# Altium PCB Salico Controller Module.PcbDoc (part 1 of 2)
Units mm, origin at the board's own origin, x right, y up, seen from the top; angles counter-clockwise.
Board outline 100 x 50 mm, 4 copper layers (L1, L2, L3, L4), stack 1.11 mm thick; 125 components, 95 nets, 398 pads, 661 vias.
Unrouted connection lines stored in the file: 176.
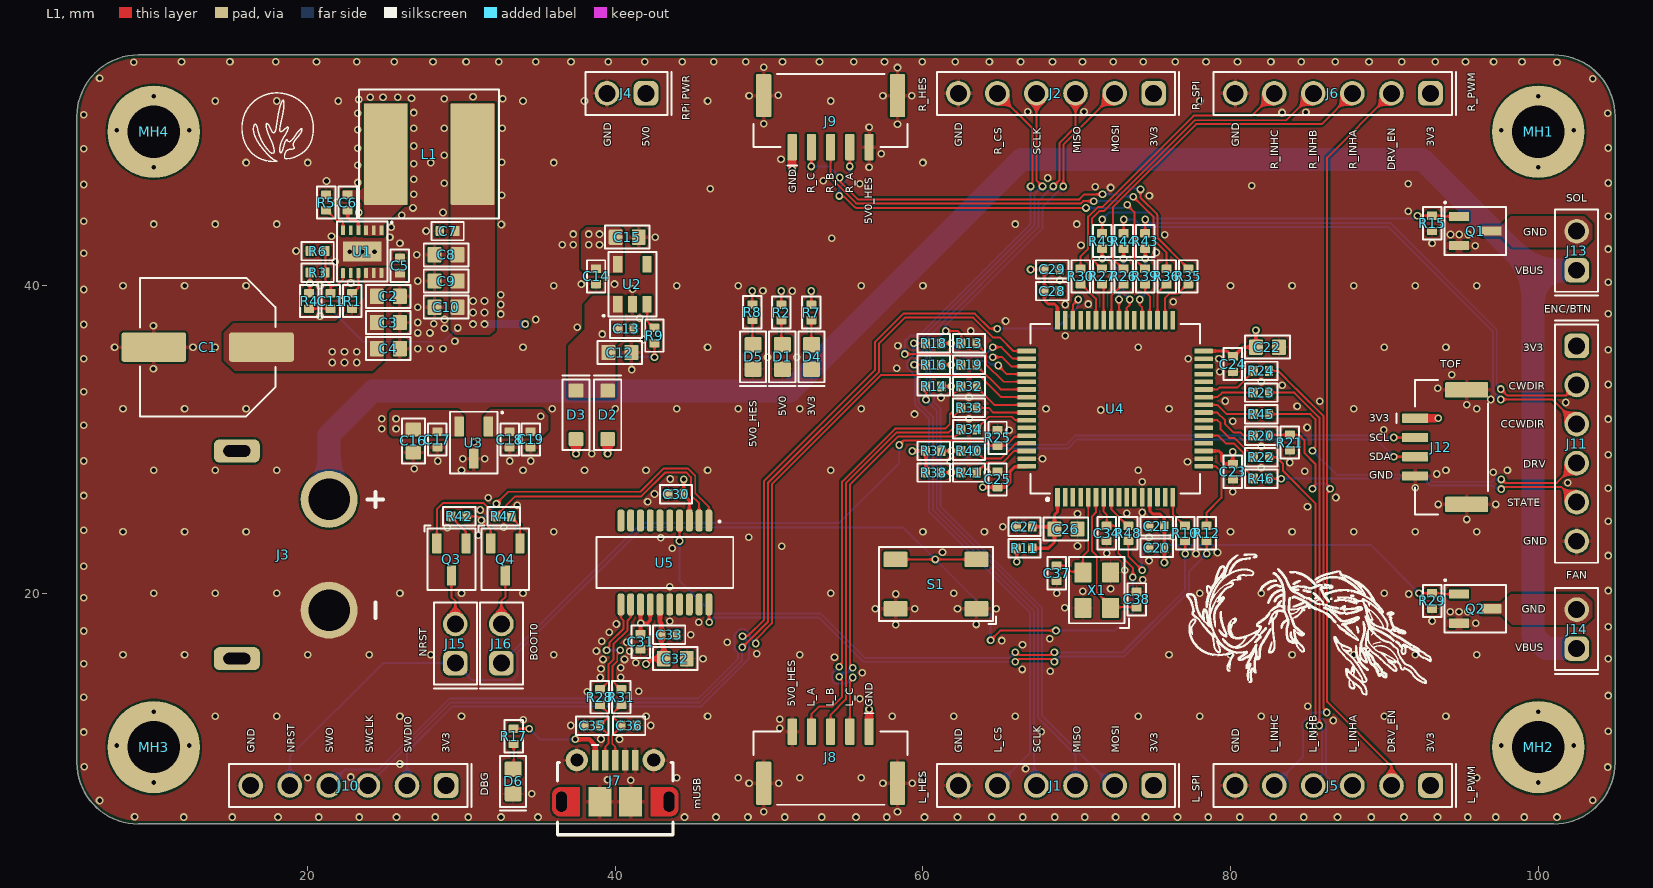
[diagram p0: L1 view]
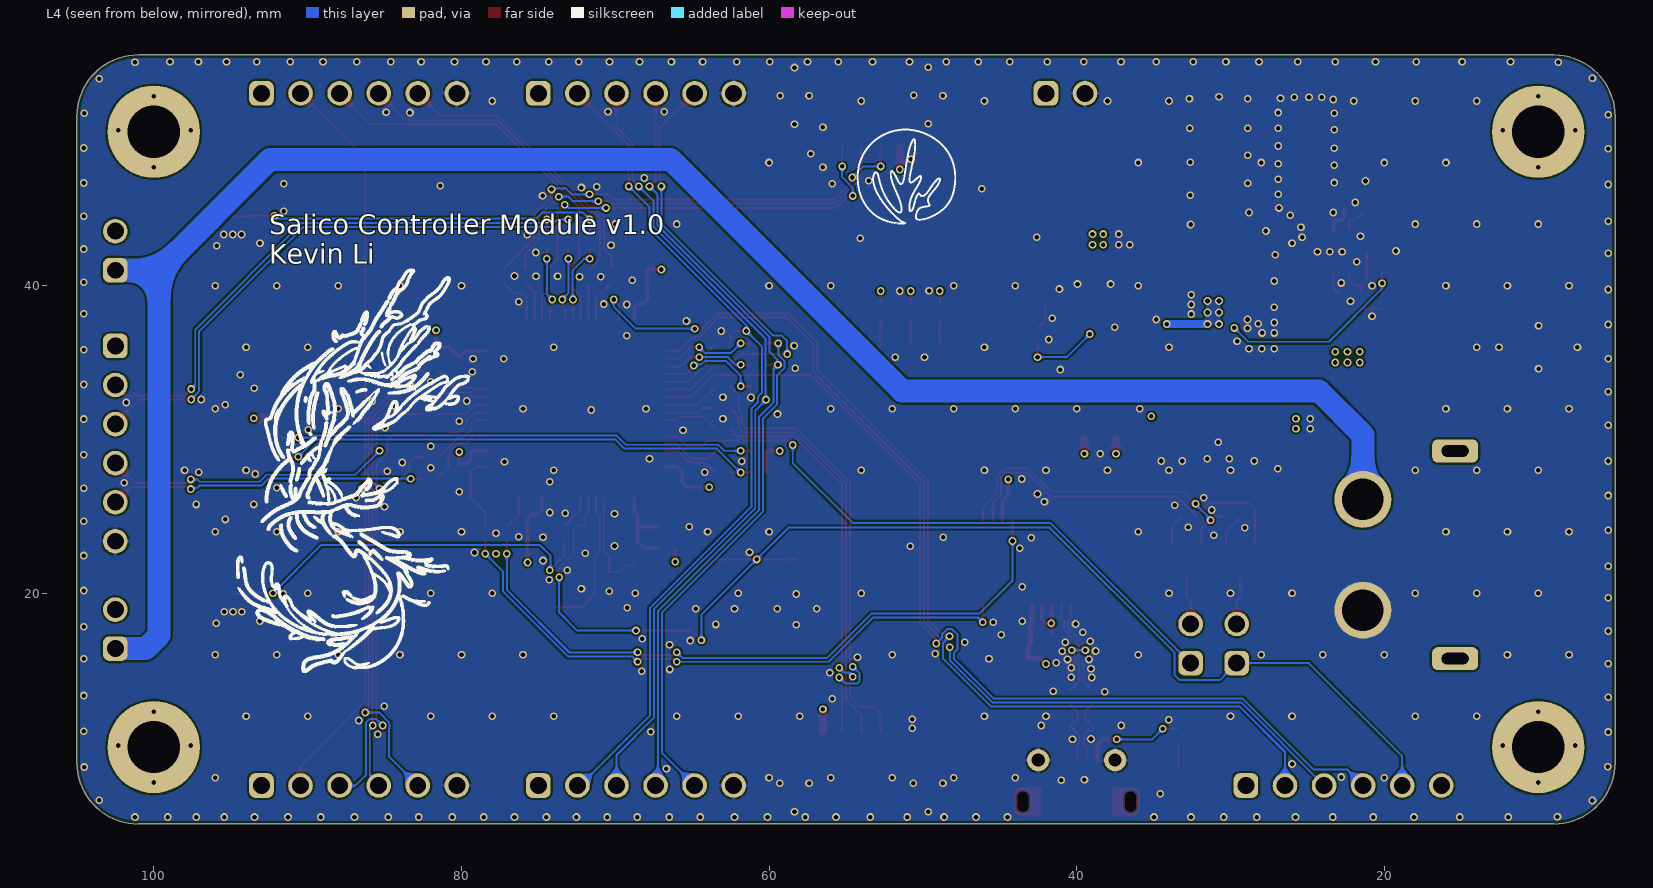
[diagram p1: L4 view, seen from below]
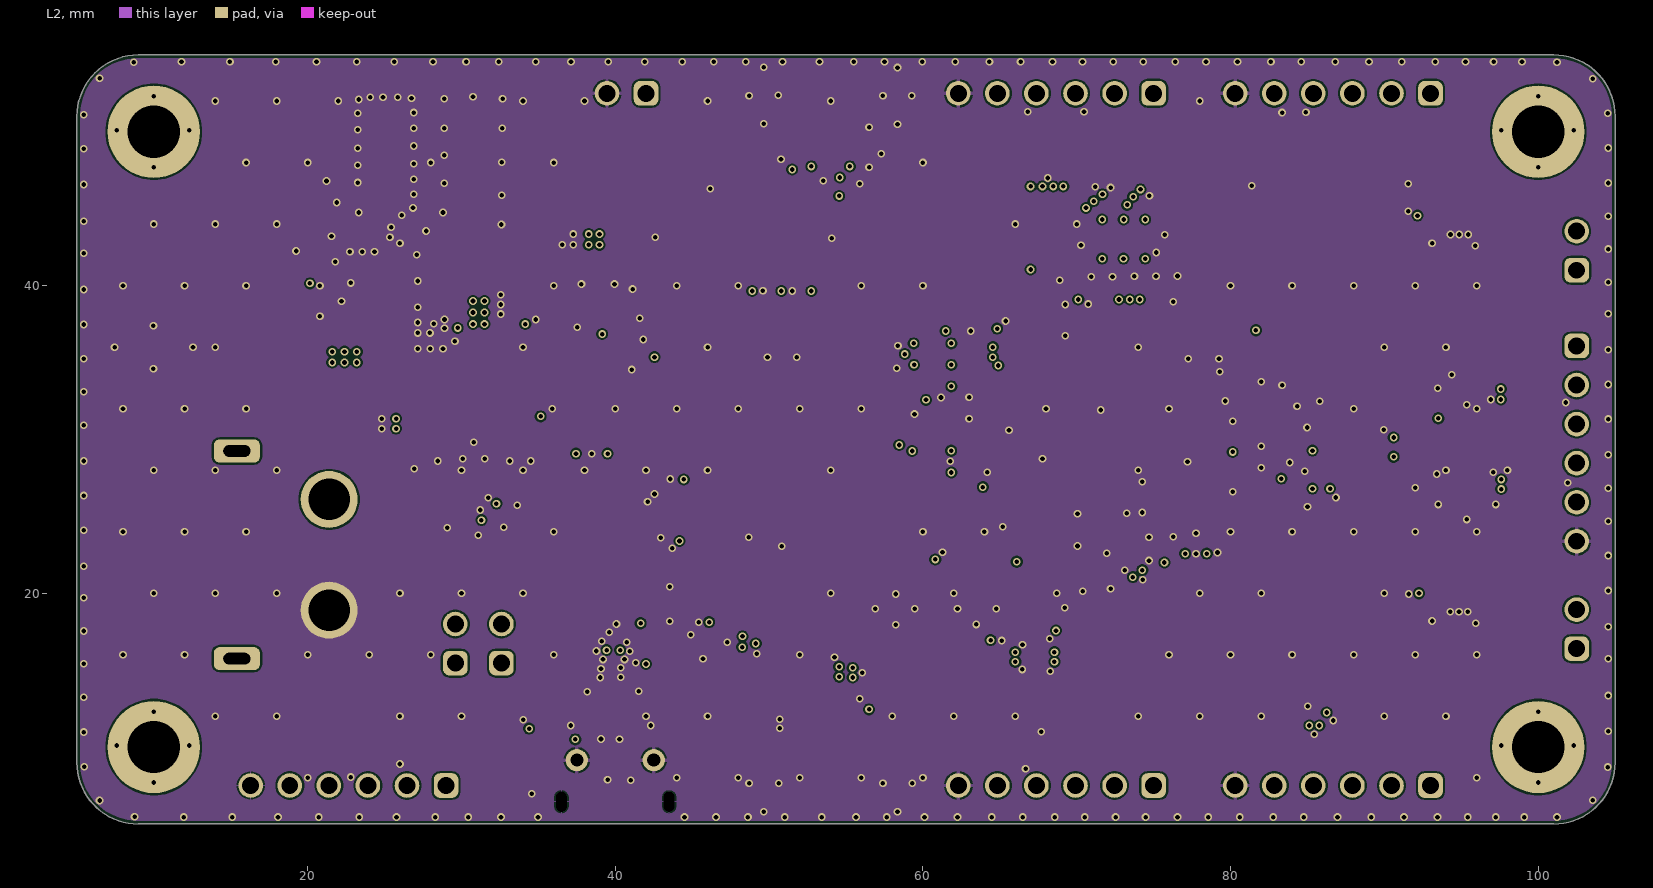
[diagram p2: L2]
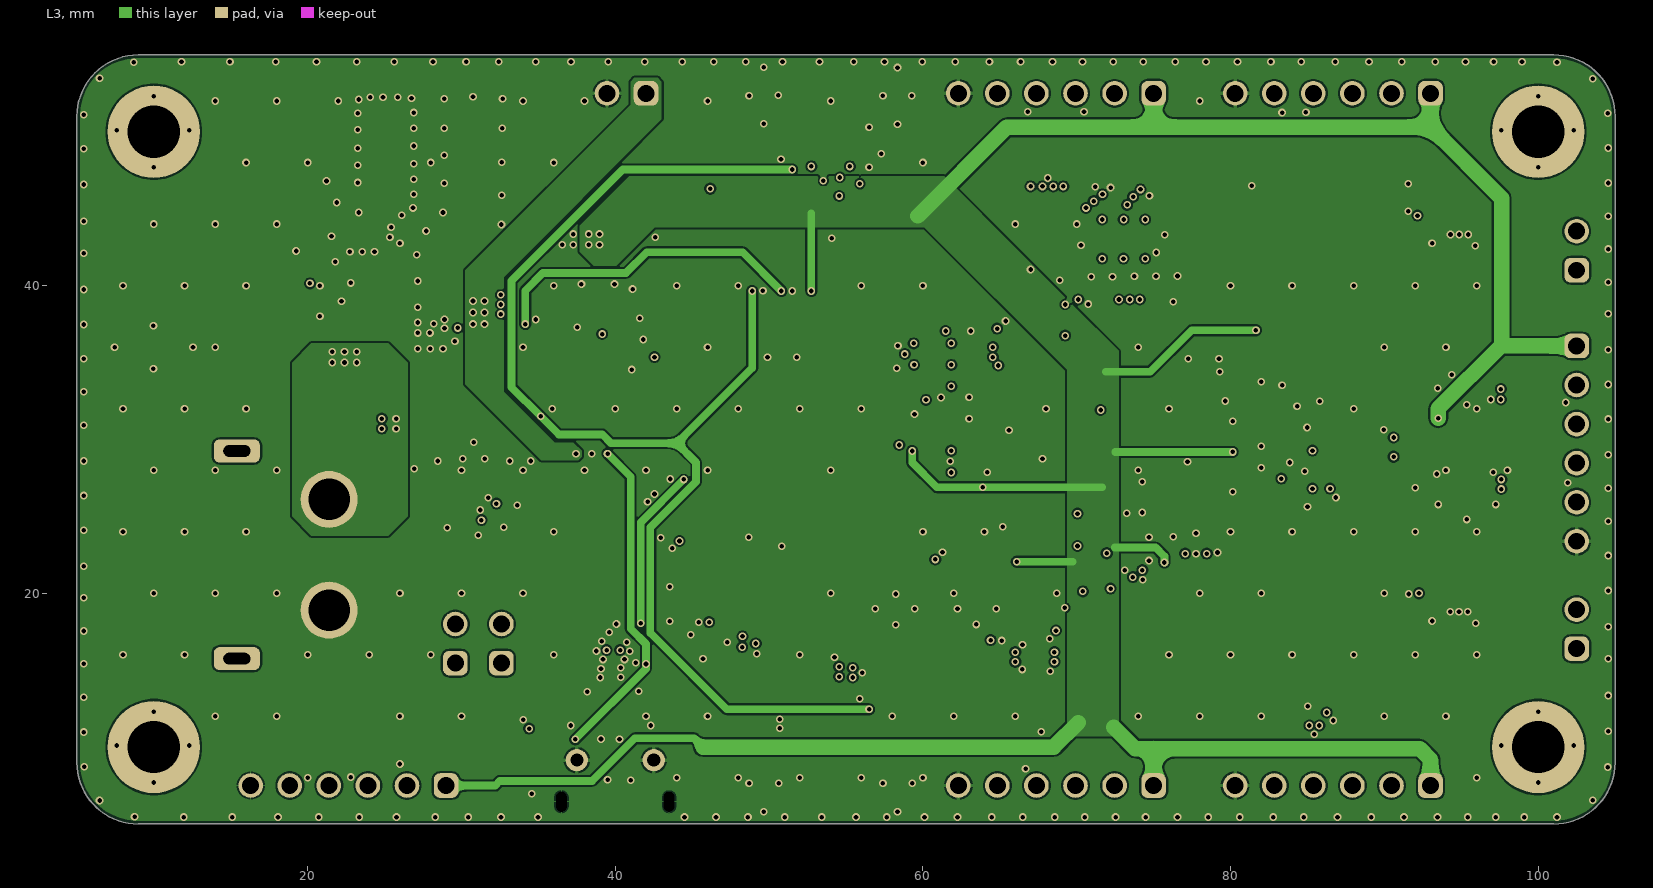
[diagram p3: L3]
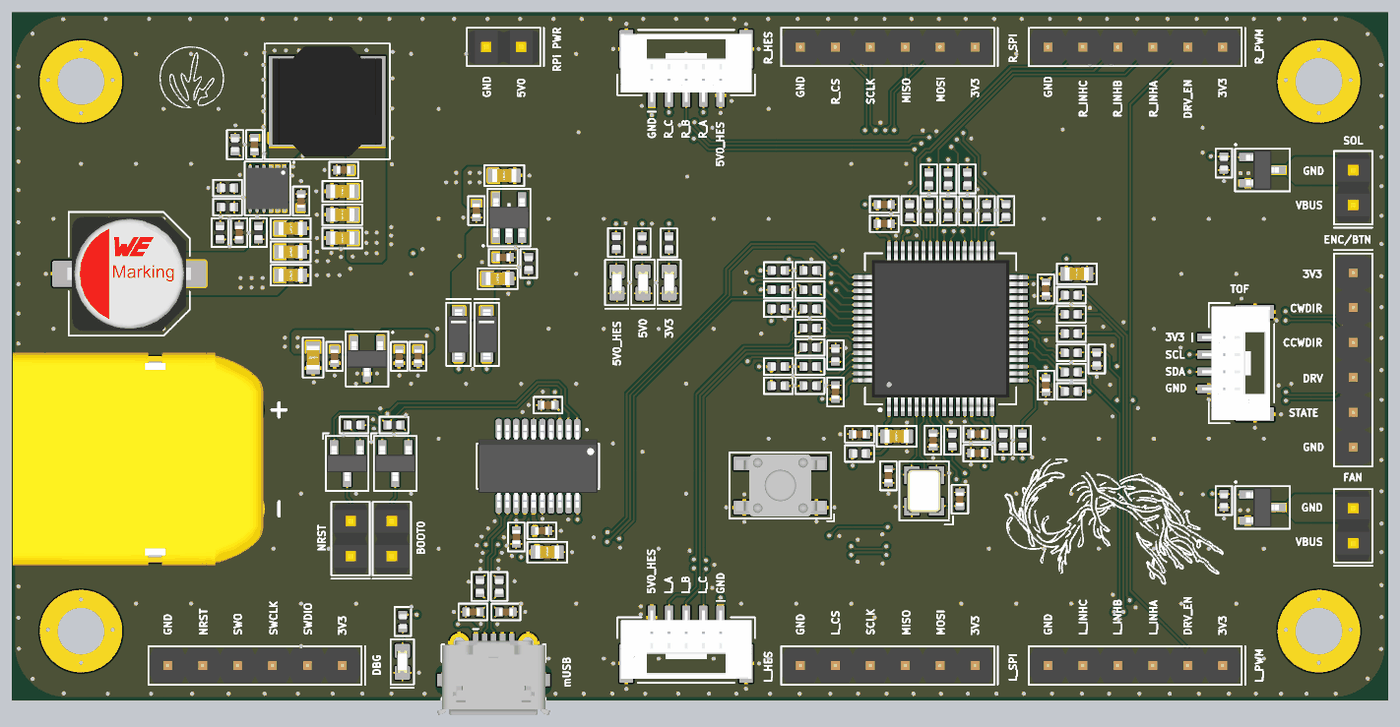
[diagram p5: 3D render of the assembled board from above, using the file's embedded part models]

## Layer stack, top to bottom
Top Solder: solder mask 0.0254, SM-001, Dk 4
L1: signal copper 0.035
Dielectric 1: prepreg 0.1295, PP-017, Dk 4.3
L2: signal copper 0.035
Dielectric 3: core 0.7112, Core-039, Dk 4.8
L3: signal copper 0.035
Dielectric 5: prepreg 0.1295, PP-017, Dk 4.3
L4: signal copper 0.035
Bottom Solder: solder mask 0.0254, SM-001, Dk 4

## Board outline
5,9 5,51 cw(c9,51) 9,55 101,55 cw(c101,51) 105,51 105,9 cw(c101,9) 101,5 9,5 cw(c9,9)

## Design rules (kind name [scope] priority, off if disabled: settings)
BoardOutlineClearance [All] p1: gap=0.2 ignorepadtopadclearanceinfootprint=FALSE
Clearance Clearance_NT [InComponent('NT*')] p1: gap=0 ignorepadtopadclearanceinfootprint=FALSE
Clearance [All] p2: gap=0.127 ignorepadtopadclearanceinfootprint=FALSE
ComponentClearance [All] p1: gap=0.102 collisioncheckmode=3 verticalgap=0.102 showdistances=TRUE
DiffPairsRouting [All] p1: maxlimit=0.102 minlimit=0.102 mostfreqgap=0.102 toplayer_minwidth=0.102 toplayer_maxwidth=1816.048 toplayer_prefwidth=0.102 midlayer1_minwidth=0.102 midlayer1_maxwidth=1816.048 midlayer1_prefwidth=0.102 midlayer2_minwidth=0.102 midlayer2_maxwidth=1816.048 midlayer2_prefwidth=0.102 bottomlayer_minwidth=0.102 bottomlayer_maxwidth=1816.048 bottomlayer_prefwidth=0.102 maxuncoupledlength=12.7
Height [All] p1: minheight=0 maxheight=1816.048 prefheight=12.7
HoleSize [All] p1: absolutevalues=TRUE maxlimit=6.3 minlimit=0.2 maxpercent=80.000 minpercent=20.000
HoleToHoleClearance [All] p1: gap=0.25 allowstackedmicrovias=FALSE
MinimumAnnularRing [All] p1: minimumring=0.076
MinimumSolderMaskSliver [All] p1: minsoldermaskwidth=0
PlaneClearance [All] p1: clearance=0.102
PlaneConnect PlaneConnectPowerPads [InPadClass('PowerPads')] p1: planeconnectstyle=Direct reliefexpansion=0.508 reliefentries=4 reliefconductorwidth=0.254 reliefairgap=0.254
PlaneConnect [All] p2: pad.planeconnectstyle=Relief pad.reliefexpansion=0.3 pad.reliefentries=4 pad.reliefconductorwidth=0.102 pad.reliefairgap=0.102 via.planeconnectstyle=Direct via.reliefexpansion=0.3 via.reliefentries=4 via.reliefconductorwidth=0.127 via.reliefairgap=0.127
PolygonConnect PolygonConnectPowerPads [All vs (InPadClass('PowerPads'))] p1: connectstyle=Direct reliefconductorwidth=0.254 reliefentries=4 polygonreliefangle="90 Angle" airgapwidth=0.254
PolygonConnect [All] p2: thpad.connectstyle=Relief thpad.reliefconductorwidth=0.102 thpad.reliefentries=4 thpad.polygonreliefangle="90 Angle" thpad.airgapwidth=0.102 smdpad.connectstyle=Relief smdpad.reliefconductorwidth=0.102 smdpad.reliefentries=4 smdpad.polygonreliefangle="90 Angle" smdpad.airgapwidth=0.102 via.connectstyle=Direct via.reliefconductorwidth=0.127 via.reliefentries=4 via.polygonreliefangle="90 Angle" via.airgapwidth=0.127
RoutingVias [All] p1: holewidth=0.25 width=0.5 viastyle="Through Hole" minholewidth=0.2 minwidth=0.45 maxholewidth=6.3 maxwidth=6.55
ShortCircuit ShortCircuit_NT [InComponent('NT*')] p1: allowed=TRUE
ShortCircuit [All] p2: allowed=FALSE
SilkToSilkClearance [All] p1: silktosilkclearance=0
SilkToSolderMaskClearance [IsPad] p1: minsilkscreentomaskgap=0.102 clearancetoexposedcopper=TRUE
SolderMaskExpansion [All] p1: expansion=0.102 istentingtop=FALSE
SupplyNets "Schematic Supply Nets_7" [InNet('3V3_VBAT')] p1: voltage=0.000
SupplyNets "Schematic Supply Nets_6" [InNet('5V0_USB')] p2: voltage=0.000
SupplyNets "Schematic Supply Nets_1" [InNet('3V3_USB')] p3: voltage=0.000
SupplyNets "Schematic Supply Nets_5" [InNet('5V0')] p4: voltage=0.000
SupplyNets "Schematic Supply Nets_4" [InNet('5V0_HES')] p5: voltage=0.000
SupplyNets "Schematic Supply Nets_3" [InNet('VBUS')] p6: voltage=0.000
SupplyNets "Schematic Supply Nets_2" [InNet('3V3')] p7: voltage=0.000
SupplyNets "Schematic Supply Nets" [InNet('GND')] p8: voltage=0.000
Width [All] p1: maxlimit=1816.048 minlimit=0.102 preferedwidth=0.127
19 further rules are at their usual default settings.

## Components (designator, comment, footprint, x,y, rotation, side; value= is the part's Value field where it differs from the comment)
C1 "865080553014" 865080553014-Footprint-1 13.5,36 r0 top value=220µF
C2 "GRM188R6YA106MA73D" .CAP_0603-Footprint-1 25.25,39.3 r180 top value=10µF
C3 "GRM188R6YA106MA73D" .CAP_0603-Footprint-1 25.25,37.6 r180 top value=10µF
C4 "GRM188R6YA106MA73D" .CAP_0603-Footprint-1 25.25,35.9 r180 top value=10µF
C5 "GCM155R71H104KE02D" .CAP_0402-Footprint-1 26,41.3 r270 top value=100nF
C6 "GCM155R71H104KE02D" .CAP_0402-Footprint-1 22.6,45.4 r270 top value=100nF
C7 "GCM155R71H104KE02D" .CAP_0402-Footprint-1 29.1,43.55 r0 top value=100nF
C8 "GRM188R6YA106MA73D" .CAP_0603-Footprint-1 29,42 r0 top value=10µF
C9 "GRM188R6YA106MA73D" .CAP_0603-Footprint-1 29,40.3 r0 top value=10µF
C10 "GRM188R6YA106MA73D" .CAP_0603-Footprint-1 29,38.6 r0 top value=10µF
C11 "GRM1555C1H330JA01D" .CAP_0402-Footprint-1 21.5,39 r270 top value=33pF
C12 "GRM188R6YA106MA73D" .CAP_0603-Footprint-1 40.3,35.65 r180 top value=10µF
C13 "GRM155R6YA105KE11D" .CAP_0402-Footprint-1 40.7,37.2 r180 top value=1µF
C14 "GRM155R6YA105KE11D" .CAP_0402-Footprint-1 38.75,40.6 r90 top value=1µF
C15 "GRM188R6YA106MA73D" .CAP_0603-Footprint-1 40.775,43.15 r180 top value=10µF
C16 "GRM188R6YA106MA73D" .CAP_0603-Footprint-1 26.875,29.9 r90 top value=10µF
C17 "GCM155R71H104KE02D" .CAP_0402-Footprint-1 28.433,29.993 r90 top value=100nF
C18 "GCM155R71H104KE02D" .CAP_0402-Footprint-1 33.133,29.993 r90 top value=100nF
C19 "GRM155R6YA105KE11D" .CAP_0402-Footprint-1 34.5,30 r90 top value=1µF
C20 "GRM155R6YA105KE11D" .CAP_0402-Footprint-1 75.2,22.95 r0 top value=1µF
C21 "GCM155R71H103KA55D" .CAP_0402-Footprint-1 75.2,24.35 r0 top value=10nF
C22 "GRM188R6YA106MA73D" .CAP_0603-Footprint-1 82.4,36 r180 top value=10µF
C23 "GCM155R71H104KE02D" .CAP_0402-Footprint-1 80.15,27.9 r90 top value=100nF
C24 "GCM155R71H104KE02D" .CAP_0402-Footprint-1 80.15,34.9 r90 top value=100nF
C25 "GCM155R71H104KE02D" .CAP_0402-Footprint-1 64.85,27.4 r270 top value=100nF
C26 "GRM188R6YA106MA73D" .CAP_0603-Footprint-1 69.3,24.175 r180 top value=10µF
C27 "GRM155R6YA105KE11D" .CAP_0402-Footprint-1 66.6,24.325 r0 top value=1µF
C28 "GCM155R71H104KE02D" .CAP_0402-Footprint-1 68.4,39.65 r180 top value=100nF
C29 "GRM155R6YA105KE11D" .CAP_0402-Footprint-1 68.4,41.05 r180 top value=1µF
C30 "GCM155R71H104KE02D" .CAP_0402-Footprint-1 43.95,26.45 r0 top value=100nF
C31 "GCM155R71H104KE02D" .CAP_0402-Footprint-1 41.65,16.85 r90 top value=100nF
C32 "GRM188R6YA106MA73D" .CAP_0603-Footprint-1 43.9,15.75 r180 top value=10µF
C33 "GCM155R71H104KE02D" .CAP_0402-Footprint-1 43.5,17.3 r180 top value=100nF
C34 "GCM155R71H104KE02D" .CAP_0402-Footprint-1 71.95,23.9 r90 top value=100nF
C35 "GRM1555C1H470JA01D" .CAP_0402-Footprint-1 38.5,11.4 r0 top value=47pF
C36 "GRM1555C1H470JA01D" .CAP_0402-Footprint-1 40.9,11.4 r180 top value=47pF
C37 "GJM1555C1H140GB01D" .CAP_0402-Footprint-1 68.7,21.3 r90 top value=14pF
C38 "GJM1555C1H140GB01D" .CAP_0402-Footprint-1 73.9,19.6 r270 top value=14pF
D1 "LTST-C191KGKT" LTST-C191KGKT-Footprint-1 50.864,35.368 r270 top
D2 "B0540W-7-F" B0540W-7-F-Footprint-1 39.5,31.6 r90 top
D3 "B0540W-7-F" B0540W-7-F-Footprint-1 37.45,31.6 r90 top
D4 "LTST-C191KGKT" LTST-C191KGKT-Footprint-1 52.764,35.368 r270 top
D5 "LTST-C191KGKT" LTST-C191KGKT-Footprint-1 48.964,35.368 r270 top
D6 "LTST-C191KGKT" LTST-C191KGKT-Footprint-1 33.364,7.768 r270 top
J1 "PH1-06-UA" PH1-06-UA-Footprint-1 75,7.5 r180 top
J2 "PH1-06-UA" PH1-06-UA-Footprint-1 75,52.5 r180 top
J3 "XT60PW-M" XT60PW-M-Footprint-1 15.4,22.5 r90 top
J4 "PH1-02-UA" PH1-02-UA-Footprint-1 42,52.5 r180 top
J5 "PH1-06-UA" PH1-06-UA-Footprint-1 93,7.5 r180 top
J6 "PH1-06-UA" PH1-06-UA-Footprint-1 93,52.5 r180 top
J7 "1050170001" 1050170001-Footprint-1 40,6.65 r0 top
J8 "BM05B-GHS-TBT" BM05B-GHS-TBT-Footprint-1 54,11 r0 top
J9 "BM05B-GHS-TBT" BM05B-GHS-TBT-Footprint-1 54,49 r180 top
J10 "PH1-06-UA" PH1-06-UA-Footprint-1 29,7.5 r180 top
J11 "PH1-06-UA" PH1-06-UA-Footprint-1 102.5,36.08 r270 top
J12 "BM04B-GHS-TBT" BM04B-GHS-TBT-Footprint-1 92,29.5 r90 top
J13 "PH1-02-UA" PH1-02-UA-Footprint-1 102.5,41 r90 top
J14 "PH1-02-UA" PH1-02-UA-Footprint-1 102.5,16.4 r90 top
J15 "PH1-02-UA" PH1-02-UA-Footprint-1 29.6,15.46 r90 top
J16 "PH1-02-UA" PH1-02-UA-Footprint-1 32.6,15.46 r90 top
L1 "SRN8040TA-4R7M" SRN8040TA-4R7M-Footprint-1 27.9,48.55 r90 top value=4.7µH
MH1 "M3HOLE-STANDARD" M3HOLE-STANDARD-Footprint-1 100,50 r0 top
MH2 "M3HOLE-STANDARD" M3HOLE-STANDARD-Footprint-1 100,10 r0 top
MH3 "M3HOLE-STANDARD" M3HOLE-STANDARD-Footprint-1 10,10 r0 top
MH4 "M3HOLE-STANDARD" M3HOLE-STANDARD-Footprint-1 10,50 r0 top
Q1 "DMG3406L-13" DMG3406L-13-Footprint-1 95.9,43.55 r0 top
Q2 "DMG3406L-13" DMG3406L-13-Footprint-1 95.9,19 r0 top
Q3 "MMBT2222A-7-F" MMBT2222A-7-F-Footprint-1 29.35,22.2 r90 top
Q4 "MMBT2222A-7-F" MMBT2222A-7-F-Footprint-1 32.85,22.2 r90 top
R1 "RC0402JR-070RL" .RES_0402-Footprint-1 22.9,39 r270 top value=0
R2 "RC0402FR-071KL" .RES_0402-Footprint-1 50.8,38.25 r90 top value=1k
R3 "RC0402FR-0753K6L" .RES_0402-Footprint-1 20.65,40.85 r180 top value=53.6k
R4 "RC0402FR-071KL" .RES_0402-Footprint-1 20.1,39 r90 top value=1k
R5 "RC0402FR-0731K6L" .RES_0402-Footprint-1 21.2,45.4 r270 top value=31.6k
R6 "RC0402FR-0710KL" .RES_0402-Footprint-1 20.65,42.25 r0 top value=10k
R7 "RC0402FR-071KL" .RES_0402-Footprint-1 52.75,38.25 r90 top value=1k
R8 "RC0402FR-071KL" .RES_0402-Footprint-1 48.914,38.268 r90 top value=1k
R9 "RC0402JR-070RL" .RES_0402-Footprint-1 42.55,36.75 r270 top value=0
R10 "RC0402JR-070RL" .RES_0402-Footprint-1 77.05,23.9 r270 top value=0
R11 "RC0402JR-070RL" .RES_0402-Footprint-1 66.6,22.925 r0 top value=0
R12 "RC0402JR-070RL" .RES_0402-Footprint-1 78.45,23.9 r270 top value=0
R13 "RC0402JR-070RL" .RES_0402-Footprint-1 63,36.25 r180 top value=0
R14 "RC0402JR-070RL" .RES_0402-Footprint-1 60.7,33.45 r180 top value=0
R15 "RC0402FR-0710KL" .RES_0402-Footprint-1 93.1,44.05 r90 top value=10k
R16 "RC0402JR-070RL" .RES_0402-Footprint-1 60.7,34.85 r180 top value=0
R17 "RC0402FR-071KL" .RES_0402-Footprint-1 33.4,10.7 r90 top value=1k
R18 "RC0402JR-070RL" .RES_0402-Footprint-1 60.7,36.25 r180 top value=0
R19 "RC0402JR-070RL" .RES_0402-Footprint-1 63,34.85 r180 top value=0
R20 "RC0402JR-070RL" .RES_0402-Footprint-1 82,30.25 r0 top value=0
R21 "RC0402FR-0710KL" .RES_0402-Footprint-1 83.85,29.8 r90 top value=10k
R22 "RC0402JR-070RL" .RES_0402-Footprint-1 82,28.85 r0 top value=0
R23 "RC0402JR-070RL" .RES_0402-Footprint-1 82,33.05 r0 top value=0
R24 "RC0402JR-070RL" .RES_0402-Footprint-1 82,34.45 r0 top value=0
R25 "RC0402FR-0710KL" .RES_0402-Footprint-1 64.85,30.1 r270 top value=10k
R26 "RC0402JR-070RL" .RES_0402-Footprint-1 73.05,40.6 r90 top value=0
R27 "RC0402JR-070RL" .RES_0402-Footprint-1 71.65,40.6 r90 top value=0
R28 "RC0402FR-0727RL" .RES_0402-Footprint-1 39,13.25 r90 top value=27
R29 "RC0402FR-0710KL" .RES_0402-Footprint-1 93.1,19.5 r90 top value=10k
R30 "RC0402JR-070RL" .RES_0402-Footprint-1 70.25,40.6 r90 top value=0
R31 "RC0402FR-0727RL" .RES_0402-Footprint-1 40.4,13.25 r90 top value=27
R32 "RC0402JR-070RL" .RES_0402-Footprint-1 63,33.45 r180 top value=0
R33 "RC0402JR-070RL" .RES_0402-Footprint-1 63,32.05 r180 top value=0
R34 "RC0402JR-070RL" .RES_0402-Footprint-1 63,30.65 r180 top value=0
R35 "RC0402JR-070RL" .RES_0402-Footprint-1 77.25,40.6 r90 top value=0
R36 "RC0402JR-070RL" .RES_0402-Footprint-1 75.85,40.6 r90 top value=0
R37 "RC0402JR-072K2L" .RES_0402-Footprint-1 60.7,29.25 r180 top value=2.2k
R38 "RC0402JR-072K2L" .RES_0402-Footprint-1 60.7,27.85 r180 top value=2.2k
R39 "RC0402JR-070RL" .RES_0402-Footprint-1 74.45,40.6 r90 top value=0
R40 "RC0402JR-070RL" .RES_0402-Footprint-1 63,29.25 r180 top value=0
R41 "RC0402JR-070RL" .RES_0402-Footprint-1 63,27.85 r180 top value=0
R42 "RC0402FR-0710KL" .RES_0402-Footprint-1 29.85,25 r0 top value=10k
R43 "RC0402JR-070RL" .RES_0402-Footprint-1 74.45,42.9 r90 top value=0
R44 "RC0402JR-070RL" .RES_0402-Footprint-1 73.05,42.9 r90 top value=0
R45 "RC0402JR-070RL" .RES_0402-Footprint-1 82,31.65 r0 top value=0
R46 "RC0402JR-070RL" .RES_0402-Footprint-1 82,27.45 r0 top value=0
R47 "RC0402FR-0710KL" .RES_0402-Footprint-1 32.75,25 r180 top value=10k
R48 "RC0402JR-070RL" .RES_0402-Footprint-1 73.35,23.9 r270 top value=0
R49 "RC0402JR-070RL" .RES_0402-Footprint-1 71.65,42.9 r90 top value=0
S1 "PTS647SN38SMTR2 LFS" "PTS647SN38SMTR2 LFS-Footprint-1" 60.85,20.6 r180 top
U1 "LMR51450SDRRR" SON50P300X80_HS-13N 23.55,42.21 r270 top
U2 "TLV75533PDBVR" TLV75533PDBVR-Footprint-1 41.117,40.09 r90 top
U3 "TLV76050DBZR" TLV76050DBZR-Footprint-1 30.8,29.8 r270 top
U4 "STM32L476RGT3" STM32L476RGT3-Footprint-1 72.5,32 r0 top
U5 "FT231XS-R" SOP64P600X175-20N 43.225,22 r270 top
X1 "ECS-80-12-33-JGN-TR" ECS-80-12-33-JGN-TR-Footprint-1 72.2,19.05 r90 top

## Footprints (in the part's own frame and the unit in brackets; to place one, negate y for a bottom-side part, rotate by r counter-clockwise, add the part's x,y. Pads: shape width x height; smd on the part's side, far side on the other; paste and mask are expansions set on the pad)
1050170001-Footprint-1 [mm]
  rect 0.4x1.35 smd: 1(-1.3,2.5) 2(-0.65,2.5) 3(0,2.5) 4(0.65,2.5) 5(1.3,2.5)
  round 1.45 hole 0.85: 6(-2.5,2.5) 7(2.5,2.5)
  rrect50% 0x0 hole 0.7 slot 1.3 at 90 deg: 8(-3.5,-0.2) 11(3.5,-0.2)
  rect 1.5x1.9 smd: 9(-1,-0.2) 10(1,-0.2)
  L1 circle w0.5: c-3.6,0.25 r0.25
  L1 circle w0.5: c3.6,-0.65 r0.25
  L1 circle w0.5: c-3.6,-0.65 r0.25
  L1 circle w0.5: c3.6,0.25 r0.25
  L1 region: 3.6,0.25 3.6,-0.65 4.1,-0.65 4.1,0.25
  L1 region: -2.3,-1.15 -2.3,0.75 -3.6,0.75 -3.6,-1.15
  L1 region: -3.6,-0.65 -3.6,0.25 -4.1,0.25 -4.1,-0.65
  L1 region: 2.3,0.75 2.3,-1.15 3.6,-1.15 3.6,0.75
  silkscreen extent -3.75,-2.35 3.75,3.5, body extent -4.1,-2.75 4.1,2.65, height 2.67
865080553014-Footprint-1 [mm]
  rrect15% 4.2x1.9 smd: 1(3.5,0) 2(-3.5,0)
  silkscreen extent -4.4,-4.5 4.4,4.5, body extent -4.5,-4.15 4.5,4.15, height 10.51
.CAP_0402-Footprint-1 [mm]
  rrect15% 0.55x0.65 smd: 1(-0.5,0) 2(0.5,0)
  silkscreen extent -1.05,-0.6 1.05,0.6, body extent -0.5,-0.27 0.5,0.28, height 0.51
.CAP_0603-Footprint-1 [mm]
  rrect15% 0.9x1 smd: 1(-0.75,0) 2(0.75,0)
  silkscreen extent -1.45,-0.75 1.45,0.75, body extent -0.87,-0.48 0.87,0.48, height 0.87
.RES_0402-Footprint-1 [mm]
  rrect15% 0.55x0.65 smd: 1(-0.5,0) 2(0.5,0)
  silkscreen extent -1.05,-0.6 1.05,0.6, body extent -0.53,-0.28 0.53,0.28, height 0.41
B0540W-7-F-Footprint-1 [mm]
  rrect15% 0.9x0.95 smd: 1(-1.575,0) 2(1.575,0)
  silkscreen extent -2.3,-0.89 2.56,0.89, body extent -1.83,-0.77 1.83,0.77, height 1.44
BM04B-GHS-TBT-Footprint-1 [mm]
  rrect15% 0.6x1.7 smd: 1(1.875,0) 2(0.625,0) 3(-0.625,0) 4(-1.875,0)
  rrect15% 1x2.8 smd: 5(3.725,-3.35) 6(-3.725,-3.35)
  silkscreen extent -4.38,-4.75 4.38,1.2, body extent -4.13,-4.45 4.13,0.5, height 4.21
BM05B-GHS-TBT-Footprint-1 [mm]
  rrect15% 0.6x1.7 smd: 1(2.5,0) 2(1.25,0) 3(0,0) 4(-1.25,0) 5(-2.5,0)
  rrect15% 1x2.8 smd: 6(4.35,-3.35) 7(-4.35,-3.35)
  silkscreen extent -5,-4.75 5,1.2, body extent -4.75,-4.45 4.75,0.5, height 4.21
DMG3406L-13-Footprint-1 [mm]
  rrect10% 1.3x0.6 smd mask+0.07: 1(-1.05,0.95) 2(-1.05,-0.95) 3(1.05,0)
  silkscreen extent -2.01,-1.55 2,1.91, body extent -1.2,-1.45 1.2,1.45, height 1.2
ECS-80-12-33-JGN-TR-Footprint-1 [mm]
  rrect10% 1.3x1.1 smd: 1(0,0) 2(2.3,0) 3(2.3,1.8) 4(0,1.8)
  silkscreen extent -1.3,-1.2 3.3,2.7, body extent -0.45,-0.35 2.75,2.15, height 0.81
LTST-C191KGKT-Footprint-1 [mm]
  rrect20% 1x1.1 smd: 1(-0.8,0) 2(0.8,0)
  silkscreen extent -1.65,-0.86 1.9,0.84, body extent -0.81,-0.4 0.81,0.4, height 0.6
M3HOLE-STANDARD-Footprint-1 [mm]
  round 6 hole 3.4: 1(0,0)
MMBT2222A-7-F-Footprint-1 [mm]
  rrect10% 1.3x0.6 smd mask+0.07: 1(1.05,0.95) 2(1.05,-0.95) 3(-1.05,0)
  silkscreen extent -2,-1.55 2.2,1.75, body extent -1.27,-1.46 1.27,1.46, height 1
PH1-02-UA-Footprint-1 [mm]
  rrect50% 1.6x1.6 hole 1.1 mask+0.1: 1(0,0)
  round 1.6 hole 1.1 mask+0.1: 2(2.54,0)
  silkscreen extent -1.65,-1.4 3.94,1.4, body extent -1.27,-1.24 3.81,1.24, height 8.51
PH1-06-UA-Footprint-1 [mm]
  rrect50% 1.6x1.6 hole 1.1 mask+0.1: 1(0,0)
  round 1.6 hole 1.1 mask+0.1: 2(2.54,0) 3(5.08,0) 4(7.62,0) 5(10.16,0) 6(12.7,0)
  silkscreen extent -1.65,-1.4 14.1,1.4, body extent -1.27,-1.27 13.97,1.27, height 8.57
"PTS647SN38SMTR2 LFS-Footprint-1" [mm]
  rrect15% 1.55x1 smd mask+0.1: 1(-2.625,1.6) 2(2.625,1.6) 3(-2.625,-1.6) 4(2.625,-1.6)
  silkscreen extent -3.9,-2.4 3.7,2.6, body extent -3.25,-2.25 3.25,2.25, height 3.8
SON50P300X80_HS-13N [mm] "SON, 12-Leads, Body 3.00x3.00mm, Pitch 0.50mm, Thermal Pad 2.50x1.30mm, IPC Medium Density"
  rrect15% 0.62x0.25 smd mask+0.07: 1(-1.39,1.25) 2(-1.39,0.75) 3(-1.39,0.25) 4(-1.39,-0.25) 5(-1.39,-0.75) 6(-1.39,-1.25) 7(1.39,-1.25) 8(1.39,-0.75) 9(1.39,-0.25) 10(1.39,0.25) 11(1.39,0.75) 12(1.39,1.25)
  rrect5% 1.3x2.5 smd mask+0.07: 13(0,0)
  silkscreen extent -1.95,-1.65 1.95,1.97, body extent -1.5,-1.5 1.5,1.5, height 0.81
SOP64P600X175-20N [mm] "SOP, 20-Leads, Body 8.65x3.90mm, Pitch 0.64mm, IPC Medium Density"
  rrect75% 1.45x0.45 smd mask+0.07: 1(-2.725,2.857) 2(-2.725,2.222) 3(-2.725,1.587) 4(-2.725,0.952) 5(-2.725,0.317) 6(-2.725,-0.318) 7(-2.725,-0.953) 8(-2.725,-1.588) 9(-2.725,-2.223) 10(-2.725,-2.858) 11(2.725,-2.857) 12(2.725,-2.222) 13(2.725,-1.587) 14(2.725,-0.952) 15(2.725,-0.317) 16(2.725,0.318) 17(2.725,0.953) 18(2.725,1.588) 19(2.725,2.223) 20(2.725,2.858)
  silkscreen extent -2.73,-4.44 1.65,4.44, body extent -3,-4.33 3,4.33, height 1.75
SRN8040TA-4R7M-Footprint-1 [mm]
  rrect5% 6.6x2.85 smd: 1(0,2.825) 2(0,-2.825)
  silkscreen extent -4.2,-4.55 4.2,4.55, body extent -4,-4 4,4, height 3.7
STM32L476RGT3-Footprint-1 [mm]
  rrect15% 0.3x1.2 smd mask+0.07: 1(-3.75,-5.75) 2(-3.25,-5.75) 3(-2.75,-5.75) 4(-2.25,-5.75) 5(-1.75,-5.75) 6(-1.25,-5.75) 7(-0.75,-5.75) 8(-0.25,-5.75) 9(0.25,-5.75) 10(0.75,-5.75) 11(1.25,-5.75) 12(1.75,-5.75) 13(2.25,-5.75) 14(2.75,-5.75) 15(3.25,-5.75) 16(3.75,-5.75) 33(3.75,5.75) 34(3.25,5.75) 35(2.75,5.75) 36(2.25,5.75) 37(1.75,5.75) 38(1.25,5.75) 39(0.75,5.75) 40(0.25,5.75) 41(-0.25,5.75) 42(-0.75,5.75) 43(-1.25,5.75) 44(-1.75,5.75) 45(-2.25,5.75) 46(-2.75,5.75) 47(-3.25,5.75) 48(-3.75,5.75)
  rrect15% 1.2x0.3 smd mask+0.07: 17(5.75,-3.75) 18(5.75,-3.25) 19(5.75,-2.75) 20(5.75,-2.25) 21(5.75,-1.75) 22(5.75,-1.25) 23(5.75,-0.75) 24(5.75,-0.25) 25(5.75,0.25) 26(5.75,0.75) 27(5.75,1.25) 28(5.75,1.75) 29(5.75,2.25) 30(5.75,2.75) 31(5.75,3.25) 32(5.75,3.75) 49(-5.75,3.75) 50(-5.75,3.25) 51(-5.75,2.75) 52(-5.75,2.25) 53(-5.75,1.75) 54(-5.75,1.25) 55(-5.75,0.75) 56(-5.75,0.25) 57(-5.75,-0.25) 58(-5.75,-0.75) 59(-5.75,-1.25) 60(-5.75,-1.75) 61(-5.75,-2.25) 62(-5.75,-2.75) 63(-5.75,-3.25) 64(-5.75,-3.75)
  silkscreen extent -5.5,-5.95 5.5,5.5, body extent -6,-6 6,6, height 1.6
TLV75533PDBVR-Footprint-1 [mm]
  rrect10% 1.1x0.6 smd mask+0.07: 1(-1.3,0.95) 2(-1.3,0) 3(-1.3,-0.95) 4(1.3,-0.95) 5(1.3,0.95)
  silkscreen extent -2.11,-1.55 2.1,1.93, body extent -1.4,-1.45 1.4,1.45, height 1.2
TLV76050DBZR-Footprint-1 [mm]
  rrect10% 1.3x0.6 smd mask+0.07: 1(-1.05,0.95) 2(-1.05,-0.95) 3(1.05,0)
  silkscreen extent -2.01,-1.55 2,1.91, body extent -1.27,-1.46 1.27,1.46, height 1
XT60PW-M-Footprint-1 [mm]
  round 3.7 hole 2.7: 1(3.6,-6) 2(-3.6,-6)
  rrect50% 1.5x3 hole 0.75 slot 1.75 at 90 deg: MH0(-6.75,0) MH1(6.75,0)
  silkscreen extent -4.1,-9.5 4.1,-8.5, body extent -7.75,-7.85 7.75,10.35, height 8.41

## Part data
C1: library part CMP-001-00089-1, "CAP ALUM 220UF 20% 35V SMD", Capacitor Type="Aluminum Electrolytic", Case/Package="Radial, Can - SMD", Tolerance=20%, Voltage Rating=35V, Mounting Technology="Surface Mount", Pins=2
C2 C3 C4 C8 C9 C10 C12 C15 C16 C22 C26 C32: library part CMP-001-00088-2, "CAP CER 10UF 35V X5R 0603", Capacitor Type=MLCC, Case/Package=0603, Temperature Coefficient=X5R, Tolerance=20%, Voltage Rating=35V, Mounting Technology="Surface Mount", Pins=2
C5 C6 C7 C17 C18 C23 C24 C25 C28 C30 C31 C33 C34: library part CMP-001-00084-4, "CAP CER 0.1UF 50V X7R 0402", Capacitor Type=MLCC, Case/Package=0402, Temperature Coefficient=X7R, Tolerance=10%, Voltage Rating=50V, Mounting Technology="Surface Mount", Pins=2
C11: library part CMP-001-00090-2, "CAP CER 33PF 50V C0G/NP0 0402", Capacitor Type=MLCC, Case/Package=0402, Temperature Coefficient="C0G, NP0", Tolerance=5%, Voltage Rating=50V, Mounting Technology="Surface Mount", Pins=2
C13 C14 C19 C20 C27 C29: library part CMP-001-00091-1, "CAP CER 1UF 35V X5R 0402", Capacitor Type=MLCC, Case/Package=0402, Temperature Coefficient=X5R, Tolerance=10%, Voltage Rating=35V, Mounting Technology="Surface Mount", Pins=2
C21: library part CMP-001-00092-1, "CAP CER 10000PF 50V X7R 0402", Capacitor Type=MLCC, Case/Package=0402, Temperature Coefficient=X7R, Tolerance=10%, Voltage Rating=50V, Mounting Technology="Surface Mount", Pins=2
C35 C36: library part CMP-001-00093-1, "CAP CER 47PF 50V C0G/NP0 0402", Capacitor Type=MLCC, Case/Package=0402, Temperature Coefficient="C0G, NP0", Tolerance=5%, Voltage Rating=50V, Mounting Technology="Surface Mount", Pins=2
C37 C38: library part CMP-001-00094-1, "CAP CER 14PF 50V C0G/NP0 0402", Capacitor Type=MLCC, Case/Package=0402, Temperature Coefficient="C0G, NP0", Tolerance=2%, Voltage Rating=50V, Mounting Technology="Surface Mount", Pins=2
D1 D4 D5 D6: library part CMP-004-00031-4, "LED GREEN CLEAR SMD", Case/Package=0603, Forward Voltage=2V, Mounting Technology="Surface Mount", Pins=2
D2 D3: library part CMP-004-00032-1, "DIODE SCHOTTKY 40V 500MA SOD123", Case/Package=SOD-123, Forward Current=500mA, Forward Voltage=510mV, Mounting Technology="Surface Mount", Pins=2
J1 J2 J5 J6 J10 J11: library part CMP-002-00074-2, "CONN HEADER VERT 6POS 2.54MM", Connector Type=Header, Gender=Male, Mounting Technology="Surface Mount", Pins=6
J3: library part CMP-002-00071-2, "XT60PW-M Connector", Connector Type="Through Hole", Gender=Male, Pins=2
J4 J13 J14 J15 J16: library part CMP-002-00077-2, "CONN HEADER VERT 2POS 2.54MM", Connector Type=Header, Gender=Male, Mounting Technology="Surface Mount", Pins=2
J7: library part CMP-002-00078-2, "CONN RCPT USB2.0 MICRO B SMD R/A", Connector Type="USB Micro B", Gender=Receptacle, Mounting Technology="Surface Mount", Pins=5
J8 J9: library part CMP-002-00079-2, "CONN HEADER SMD 5POS 1.25MM", Max Current Rating=1A, Connector Type=Header, Gender=Receptacle, Mounting Technology="Suface Mount", Pins=5
J12: library part CMP-002-00080-2, "CONN HEADER SMD 4POS 1.25MM", Max Current Rating=1A, Connector Type=Header, Gender=Receptacle, Mounting Technology="Surface Mount", Pins=4
L1: library part CMP-006-00021-3, "FIXED IND 4.7UH 5.8A 19.5MOHM SM", Current Rating=5.8A, DC Resistance=19.5mΩ, Saturation Current=6.7A, Self Resonant Frequency=38MHz, Tolerance=20%, Mounting Technology="Surface Mount", Pins=2, Shielding=Shielded
MH1 MH2 MH3 MH4: library part CMP-00030-00001-1, "M3 Mounting Hole"
Q1 Q2: library part CMP-013-00035-1, "MOSFET N-CH 30V 3.6A SOT23", Case/Package=SOT-23-3, Continuous Drain Current=3.6A, Drain to Source Voltage=30V, Gate Charge(Qg) (Max) @ Vgs=11.2nC, Mounting Technology="Surface Mount", Rdson=50mΩ, Transistor Type=N-Channel, Vgs(th) (Max) @ Id=2V
Q3 Q4: library part CMP-013-00036-1, "TRANS NPN 40V 0.6A SOT-23-3", Case/Package=SOT-23-3, Mounting Technology="Surface Mount", Pins=3
R1 R9 R10 R11 R12 R13 R14 R16 R18 R19 R20 R22 R23 R24 R26 R27 R30 R32 R33 R34 R35 R36 R39 R40 R41 R43 R44 R45 R46 R48 R49: library part CMP-009-00180-2, "RES 0 OHM JUMPER 1/16W 0402", Case/Package=0402, Power=63mW, Mounting Technology="Surface Mount"
R2 R4 R7 R8 R17: library part CMP-009-00185-1, "RES 1K OHM 1% 1/16W 0402", Case/Package=0402, Power=63mW, Tolerance=1%, Mounting Technology="Surface Mount", Pins=2
R3: library part CMP-009-00184-1, "RES 53.6K OHM 1% 1/16W 0402", Case/Package=0402, Power=63mW, Tolerance=1%, Mounting Technology="Surface Mount", Pins=2
R5: library part CMP-009-00186-1, "RES 31.6K OHM 1% 1/16W 0402", Case/Package=0402, Power=63mW, Tolerance=1%, Mounting Technology="Surface Mount", Pins=2
R6 R15 R21 R25 R29 R42 R47: library part CMP-009-00179-2, "RES 10K OHM 1% 1/16W 0402", Case/Package=0402, Power=63mW, Tolerance=1%, Pins=2
R28 R31: library part CMP-009-00188-1, "RES 27 OHM 1% 1/16W 0402", Case/Package=0402, Power=63mW, Tolerance=1%, Mounting Technology="Surface Mount", Pins=2
R37 R38: library part CMP-009-00187-1, "RES 2.2K OHM 5% 1/16W 0402", Case/Package=0402, Power=63mW, Tolerance=5%, Mounting Technology="Surface Mount", Pins=2
S1: library part CMP-011-00013-2, "SWITCH TACTILE SPST-NO 0.05A 12V", Current Rating=50mA, Voltage Rating=12V, Mounting Technology="Surface Mount", Pins=4, Throw Configuration=SPST-NO
U1: library part CMP-019-00050-8, "IC REG BUCK ADJ 5A 12WSON", Case/Package=12-WSON, Max Supply Voltage=36V, Min Supply Voltage=4V, Output Current=5A, Output Voltage=28V, Mounting Technology="Surface Mount"
U2: library part CMP-019-00051-4, "IC REG LINEAR 3.3V 500MA SOT23-5", Case/Package=SOT-23-5, Dropout Voltage=238mV, Max Operating Temperature=125°C, Max Supply Voltage=5.5V, Min Operating Temperature=-40°C, Min Supply Voltage=1.45V, Output Current=500mA, Output Voltage=3.3V, Mounting Technology="Surface Mount"
U3: library part CMP-019-00052-1, "IC REG LINEAR 5V 100MA SOT23-3", Case/Package=SOT-23-3, Dropout Voltage=1.1V, Max Supply Voltage=30V, Output Current=100mA, Output Voltage=5V, Mounting Technology="Surface Mount"
U4: library part CMP-020-00023-4, "IC MCU 32BIT 1MB FLASH 64LQFP", Case/Package=64-LQFP, Max Supply Voltage=3.6V, Min Supply Voltage=1.71V, I/Os=51, Mounting Technology="Surface Mount", RAM Size="128K x 8"
U5: library part CMP-020-00024-2, "IC USB SERIAL FULL UART 20SSOP", Max Supply Voltage=5V, Min Supply Voltage=3.3V, Mounting Technology="Surface Mount", Pins=20
X1: library part CMP-003-00030-1, "CRYSTAL 8.0000MHZ 12PF SMD", Frequency=8MHz, Load Capacitance=12pF, ESR=400, Mounting Technology="Surface Mount", Pins=4

## Via types
v1: diameter 0.5, hole 0.3, L1 to L4, tented both sides, 661 vias

## Nets (pads, with @x,y where several pads share a name; then routed paths per layer and width w, separated by ;. In a path a pad name is that pad's centre, name@x,y a point inside that pad or via, vN(x,y) a via of type N, cw(c..) or ccw(c..) an arc to the next point about the centre after c; other vN are vias at no path point)
3V3: C14.2 C15.2 C20.2 C21.2 C22.2 C23.2 C24.2 C25.2 C28.2 C29.2 J1.1 J2.1 J5.1 J6.1 J10.1 J11.1 J12.1 R7.2 R11.1 R37.2 R38.2 U2.5 U4.13 U4.19 U4.32 U4.48 U4.64 | length 208.6
  L1 w0.127: R7.2@52.75,38.75 v1(52.75,39.65)
  L1 w0.2: v1(59.3,29.25) R37.2@60.2,29.25 R38.2@60.2,27.85 ; v1(63.9,26.9) C25.2@64.85,26.9 64.858,26.908 65.358,26.908 65.65,27.2 65.65,27.9 65.972,28.222 66.722,28.222 U4.64@66.75,28.25 ; v1(66.1,22.05) R11.1@66.1,22.925 ; v1(67,41.05) C29.2@67.9,41.05 C28.2@67.9,39.65 67.9,39.05 68.15,38.8 68.55,38.8 68.75,38.6 U4.48@68.75,37.75 ; U4.13@74.75,26.25 74.75,25.35 74.95,25.15 75.4,25.15 75.692,24.858 75.692,24.358 C21.2@75.7,24.35 C20.2@75.7,22.95 v1(75.7,22) ; U4.19@78.25,29.25 79.25,29.25 79.4,29.1 79.4,28.65 79.65,28.4 C23.2@80.15,28.4 80.144,28.406 80.144,29.183 v1(80.139,29.189) ; U4.32@78.25,35.75 79.75,35.75 80.1,35.4 C24.2@80.15,35.4 80.2,35.4 80.8,36 C22.2@81.65,36 v1(81.65,37.1)
  L1 w0.5: J12.1@92,31.375 v1(93.5,31.375)
  L3 w0.5: J10.1@29,7.5 32.2,7.5 32.5,7.8 38.5,7.8 41.275,10.575 45.125,10.575 45.7,10 ; v1(52.75,39.65) 52.75,44.7 ; v1(59.3,29.25) 59.3,28.5 60.9,26.9 v1(63.9,26.9) 71.65,26.9 ; v1(66.1,22.05) 69.75,22.05 ; 71.9,34.4 74.775,34.4 77.475,37.1 v1(81.65,37.1) ; 72.462,22.975 75.125,22.975 75.7,22.4 v1(75.7,22) ; 72.511,29.189 v1(80.139,29.189)
  L3 w1: 45.7,10 68.5,10 70.1,11.6 ; 59.673,44.523 65.45,50.3 75,50.3 ; 72.4,11.3 73.8,9.9 75,9.9 ; J1.1@75,7.5 75,9.9 ; J2.1@75,52.5 75,50.3 ; J5.1@93,7.5 93,9.2 92.3,9.9 75,9.9 ; J6.1@93,52.5 93,50.3 ; v1(93.5,31.375) 93.5,32 97.62,36.12 ; J11.1@102.5,36.08 97.62,36.08 97.62,45.68 93,50.3 ; 75,50.3 93,50.3
  L4 w1: J6.1@92.981,52.481 J6.1@93,52.5
  other v1: 38.275,42.65 38.975,42.65 38.275,43.35 38.975,43.35
3V3_USB: C30.2 C31.2 U5.3 U5.13 U5.14 | length 17
  L1 w0.2: U5.13@41.637,19.275 41.644,19.269 41.644,18.056 v1(41.65,18.05) ; C31.2@41.65,17.35 v1(41.65,18.05) ; U5.14@42.272,19.275 42.272,18.25 42.072,18.05 v1(41.65,18.05) ; v1(44.45,27.4) C30.2@44.45,26.45 44.45,26.4 44.812,26.038 U5.3@44.812,24.725
  L3 w0.5: v1(41.65,18.05) 41.65,24.6 v1(44.45,27.4)
3V3_VBAT: C26.2 C27.2 R11.2 U4.1 | length 6.1
  L1 w0.2: R11.2@67.1,22.925 68.15,22.925 68.55,23.325 68.55,25.1 68.75,25.3 U4.1@68.75,26.25 ; C27.2@67.1,24.325 68.4,24.325 C26.2@68.55,24.175
5V0: C7.2 C8.2 C9.2 C10.2 D3.1 J4.1 L1.2 R2.2 R3.2 R4.2 | length 38.5
  L1 w0.127: R4.2@20.1,39.5 20.15,39.55 R3.2@20.15,40.85 ; R2.2@50.8,38.75 v1(50.8,39.65)
  L1 w0.5: v1(37.45,29.075) D3.1@37.45,30.025
  L3 w0.5: v1(34.15,37.5) 34.15,39.675 35.3,40.825 40.7,40.825 42.05,42.175 48.275,42.175 v1(50.8,39.65)
  L4 w0.127: v1(20.15,40.15) 20.159,40.141 20.159,39.791 23.6,36.35 28.85,36.35 v1(29.75,37.25)
  L4 w0.5: v1(31.5,37.5) v1(34.15,37.5)
  other v1: 30.75,37.5 30.75,38.25 31.5,38.25 30.75,39 31.5,39
5V0_HES: C18.2 C19.2 J8.1 J9.1 R8.2 U3.1 | length 86.5
  L1 w0.127: v1(48.9,39.65) 48.9,38.782 R8.2@48.914,38.768
  L1 w0.5: v1(51.5,47.55) J9.1@51.5,49 ; J8.1@56.5,11 v1(56.5,12.45)
  L3 w0.5: v1(48.9,39.65) 48.9,34.65 44,29.75 ; v1(51.5,47.55) 40.5,47.55 33.25,40.3 33.25,33.4 v1(35.15,31.5) 36.325,30.325 39.15,30.325 39.725,29.75 44,29.75 ; v1(56.5,12.45) 47.25,12.45 42.277,17.423 42.277,24.277 45.25,27.25 45.25,28.5 44,29.75
5V0_USB: C32.2 C33.2 D2.1 J7.1 R17.2 U5.15 | length 34.1
  L1 w0.127: R17.2@33.4,11.2 v1(34.4,11.2)
  L1 w0.3: v1(37.4,10.5) 38.3,10.5 38.7,10.1 J7.1@38.7,9.15 ; v1(42,15.4) 42.35,15.75 C32.2@43.15,15.75 43.15,16.55 43,16.7 C33.2@43,17.3 43,18.05 42.9,18.15 42.9,19.268 U5.15@42.907,19.275
  L1 w0.5: v1(39.5,29.075) D2.1@39.5,30.025
  L3 w0.5: v1(37.4,10.5) 42,15.1 42,16.7 41,17.7 41,27.575 v1(39.5,29.075)
  L4 w0.127: v1(34.4,11.2) 35.1,10.5 v1(37.4,10.5)
BUCK_5V0_BOOT: C6.2 U1.4 | length 1.8
  L1 w0.2: C6.2@22.6,44.9 22.608,44.892 22.608,44.442 22.8,44.25 23.183,44.25 23.3,44.133 U1.4@23.3,43.6
BUCK_5V0_EN: R1.1 U1.9 | length 1.5
  L1 w0.127: R1.1@22.9,39.5 22.95,39.5 23.3,39.85 U1.9@23.3,40.82
BUCK_5V0_FB: C11.1 R3.1 R6.2 U1.7 | length 4.3
  L1 w0.127: R6.2@21.15,42.25 21.15,40.35 21.5,40 ; C11.1@21.5,39.5 21.5,40 ; U1.7@22.3,40.82 22.294,40.814 22.294,40.394 21.9,40 21.5,40
BUCK_5V0_RT: R5.2 U1.6 | length 2
  L1 w0.127: R5.2@21.2,44.9 21.25,44.9 21.9,44.25 22.2,44.25 22.3,44.15 U1.6@22.3,43.6
BUCK_5V0_SW: C6.1 L1.1 U1.1 U1.2 U1.3
DIN_CCWDIR_ENC_TO_MCU_3V3: J11.3 R44.2 | length 38.1
  L1 w0.127: R44.2@73.05,43.4 v1@73.05,44.263 ; v1(97.575,32.6) 100.9,32.6 J11.3@102.5,31
  L4 w0.127: v1(73.05,44.3) 73.75,44.3 74.225,43.825 90.266,43.825 97.05,37.041 97.05,33.125 v1(97.575,32.6)
DIN_CCWDIR_ENC_TO_MCU_3V3_R: R44.1 U4.39 | length 4.9
  L1 w0.127: v1@73.05,41.75 R44.1@73.05,42.4 ; U4.39@73.25,37.75 73.25,38.55 73.441,38.741 73.441,39.091 v1(73.45,39.1)
  L4 w0.127: v1(73.037,41.754) 73.037,39.528 73.45,39.115 v1(73.45,39.1)
DIN_CWDIR_ENC_TO_MCU_3V3: J11.2 R43.2 | length 36.1
  L1 w0.127: R43.2@74.45,43.4 v1(74.45,44.3) ; v1(97.575,33.275) 97.996,32.854 101.814,32.854 J11.2@102.5,33.54
  L4 w0.127: v1(74.45,44.3) 74.49,44.3 74.711,44.079 90.371,44.079 97.304,37.146 97.304,33.546 v1(97.575,33.275)
DIN_CWDIR_ENC_TO_MCU_3V3_R: R43.1 U4.37 | length 4.9
  L1 w0.127: v1(74.1,39.1) 74.107,39.093 74.107,38.739 74.25,38.596 U4.37@74.25,37.75 ; v1(74.45,41.752) R43.1@74.45,42.4
  L4 w0.127: v1(74.1,39.1) 74.45,39.45 v1(74.45,41.752)
DIN_DRV_ENC_TO_MCU_3V3: J11.4 R45.2 | length 24
  L1 w0.127: R45.2@82.5,31.65 85.191,31.65 85.521,31.32 85.521,29.536 85.325,29.34 v1(85.325,29.275) ; v1(97.6,27.4) 97.636,27.4 97.861,27.175 101.215,27.175 J11.4@102.5,28.46
  L4 w0.127: v1(85.325,29.275) 86.896,27.704 92.65,27.704 93.104,27.25 97.025,27.25 97.175,27.4 v1(97.6,27.4)
DIN_DRV_ENC_TO_MCU_3V3_R: R45.1 U4.25 | length 3.5
  L1 w0.127: U4.25@78.25,32.25 79.15,32.25 79.75,31.65 R45.1@81.5,31.65
DIN_L_A_HES_TO_MCU_3V3: J8.2 R32.2 | length 29.7
  L1 w0.127: v1(54.556,15.225) 54.556,15.299 54.742,15.486 54.742,27.26 58.19,30.708 61.458,30.708 61.746,30.996 61.746,31.621 61.95,31.825 61.95,32.9 R32.2@62.5,33.45 ; J8.2@55.25,11 55.25,14.262 55.437,14.449 v1(55.437,14.523)
  L4 w0.127: v1(54.556,15.225) 54.55,15.225 54.115,14.79 54.115,14.274 54.255,14.135 55.048,14.135 v1(55.437,14.523)
DIN_L_A_HES_TO_MCU_3V3_R: R32.1 U4.56 | length 3.8
  L1 w0.127: R32.1@63.5,33.45 63.5,33.4 64.65,32.25 U4.56@66.75,32.25
DIN_L_B_HES_TO_MCU_3V3: J8.3 R33.2 | length 26.6
  L1 w0.127: J8.3@54,11 54,12.1 54.996,13.096 54.996,27.155 58.295,30.454 61.679,30.454 62,30.775 62,31.516 62.273,31.788 62.289,31.788 62.5,32 R33.2@62.5,32.05
DIN_L_B_HES_TO_MCU_3V3_R: R33.1 U4.57 | length 3.4
  L1 w0.127: R33.1@63.5,32.05 64.275,32.05 64.575,31.75 U4.57@66.75,31.75
DIN_L_C_HES_TO_MCU_3V3: J8.4 R34.2 | length 26.9
  L1 w0.127: J8.4@52.75,11 52.75,12.15 53.25,12.65 54.125,12.65 54.742,13.267 54.742,14.314 54.556,14.501 v1(54.556,14.575) ; v1(55.437,15.15) 55.437,15.224 55.25,15.411 55.25,27.05 58.4,30.2 62.1,30.2 62.5,30.6 R34.2@62.5,30.65
  L4 w0.127: v1(54.556,14.575) 54.831,14.85 55.137,14.85 v1(55.437,15.15)
DIN_L_C_HES_TO_MCU_3V3_R: R34.1 U4.58 | length 3.7
  L1 w0.127: R34.1@63.5,30.7 64.275,31.475 65.775,31.475 66,31.25 U4.58@66.75,31.25